# Altium PCB MCU063A_PCB.PcbDoc (part 5 of 9)
Units mil, origin at the board's own origin, x right, y up, seen from the top; angles counter-clockwise.
Board outline 4165.01 x 2371.03 mil, 10 copper layers (Top Layer, Internal Plane 2, Signal Layer 3, Signal Layer 4, Internal Plane 5, Internal Plane 6, Signal Layer 7, Signal Layer 8, Internal Plane 9, Bottom), stack 59.9 mil thick; 436 components, 392 nets, 1750 pads, 1250 vias.
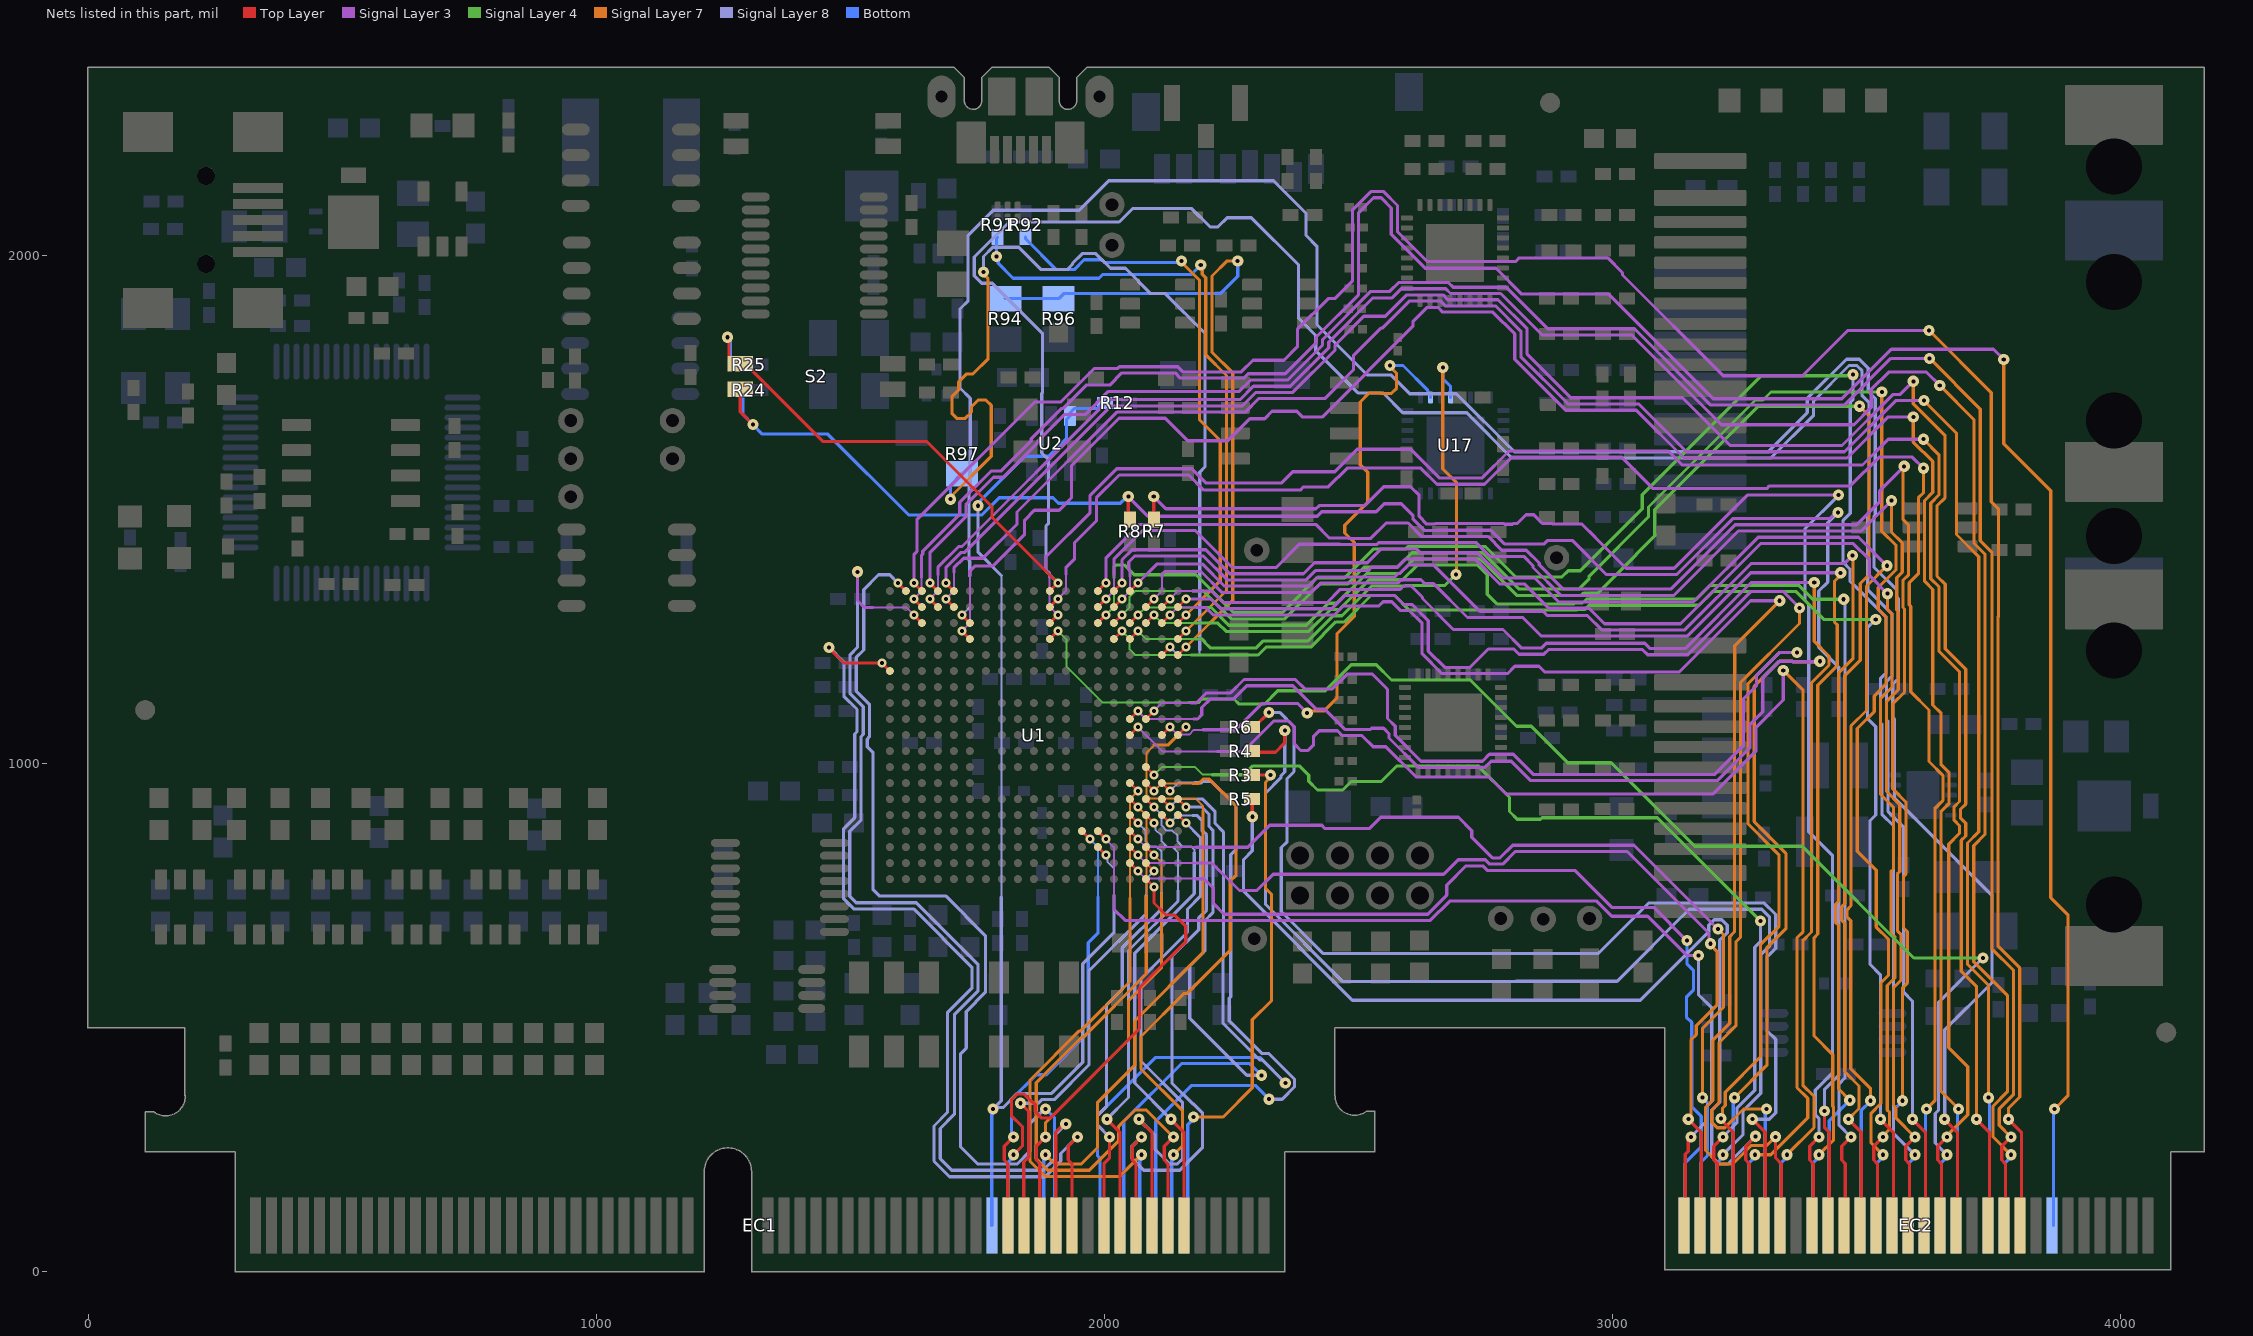
[diagram p13: the nets of this part, all layers, seen from the top]

## Via types
v1: diameter 22, hole 8, Top Layer to Bottom, tented both sides, 895 vias
v2: diameter 18, hole 8, Top Layer to Bottom, tented both sides, 334 vias
v3: diameter 19.68, hole 7.87, Top Layer to Bottom, 19 vias
v4: diameter 18/18/18/18/18/18 (per signal layer), hole 8, Top Layer to Bottom, tented both sides, 1 vias
v5: diameter 22/22/22/22/22/22 (per signal layer), hole 8, Top Layer to Bottom, tented both sides, 1 vias

## Nets (pads, with @x,y where several pads share a name; then routed paths per layer and width w, separated by ;. In a path a pad name is that pad's centre, name@x,y a point inside that pad or via, vN(x,y) a via of type N, cw(c..) or ccw(c..) an arc to the next point about the centre after c; other vN are vias at no path point) (continued)
MCU_GPIO33: EC1.87 U1.T13 | length 883.1
  Top Layer w6.25: EC1.87@1810.04,91 1810.04,212.49 1802.87,219.66 1802.87,246.88 v1(1820.99,265) ; U1.T13@1955.91,867.12 v2(1971.66,851.38)
  Bottom w4: v2(1971.66,851.38) 1987.21,835.82 1987.21,737.31
  Bottom w6.25: v1(1820.99,265) 1817.08,268.91 1817.08,338.82 1865.7,387.44 1885.3,387.44 1968.46,470.59 1968.46,647 1987.21,665.75 1987.21,737.31
MCU_GPIO34: EC1.86 R12.1 U1.U14 U2.3 | length 2482.5
  Top Layer w6.25: U1.U14@1987.4,835.63 v2(2003.15,819.88)
  Signal Layer 8 w4: 1797.21,737.31 1797.21,750.2 1797.68,750.67 1797.68,1369.84 ; v2(2003.15,819.88) 2005.83,817.2 2005.83,806.92 2018.9,793.85 2018.9,741
  Signal Layer 8 w6.25: v1(1751.56,1507.31) 1751.56,1415.96 1797.68,1369.84 ; 1797.21,737.31 1797.21,336.21 v1(1780.99,320) 1784.01,323.01 1801.28,323.01 1828.95,350.69 1896.21,350.69 1957.46,411.93 1957.46,605.56 2018.9,667 2018.9,741
  Bottom w6.25: v1(1751.56,1507.31) 1754.58,1510.33 1754.58,1516.06 1843.19,1604.68 1890.32,1604.68 1925.73,1640.09 1925.73,1677.46 U2.3@1932.41,1684.13 1932.41,1690 1941.1,1698.69 1986.14,1698.69 1997.45,1710 R12.1@2001.39,1710 ; EC1.86@1778.55,91 1778.55,317.55 v1(1780.99,320)
MCU_GPIO35: EC2.121 U1.T14 | length 1950
  Top Layer w6.25: U1.T14@1987.4,867.12 v2(2003.15,851.38) ; EC2.121@3143.43,91 3143.43,230.84 3149.23,236.65 3149.23,259.86 v1(3154.38,265)
  Signal Layer 3 w4: v2(2003.15,851.38) 2018.9,835.63 2018.9,739.62
  Signal Layer 3 w6.25: 2018.9,739.62 2018.9,713.1 2040.82,691.18 2641.5,691.18 2679.44,729.13 2969.14,729.13 2998.96,699.31 3069.21,699.31 3146.21,622.31 v1(3169.21,622.31)
  Signal Layer 8 w6.25: v1(3154.38,265) 3183.25,293.87 3183.25,322.72 3195.33,334.8 3195.33,519.19 3169.21,545.31 v1(3169.21,622.31)
MCU_GPIO36: EC2.122 U1.V16 | length 1863.9
  Top Layer w6.25: U1.V16@2050.4,804.13 v2(2066.14,788.38)
  Signal Layer 3 w4: v2(2066.14,788.38) 2081.21,773.31 2179.21,773.31
  Signal Layer 3 w6.25: 2179.21,773.31 2195.69,773.31 2215,754 2215,724 2235.57,703.43 2636.42,703.43 2674.06,741.07 2674.06,760.8 2711.7,798.44 2744.8,798.44 2753.55,789.69 2925.91,789.69 2998.72,716.88 3081.13,716.88 v1(3146.51,651.5)
  Bottom w6.25: EC2.122@3143.43,91 3143.43,214.05 3174.93,245.55 3174.93,305.59 3156.02,324.5 3156.02,490.47 3145.55,500.93 3145.55,540.28 3159.33,554.07 3159.33,593.42 3146.51,606.24 v1(3146.51,651.5)
MCU_GPIO37: EC2.123 U1.U16 | length 1896.5
  Top Layer w6.25: U1.U16@2050.4,835.63 v2(2066.14,819.88) ; v1(3149.38,300) 3174.93,274.45 EC2.123@3174.93,91
  Signal Layer 3 w4: v2(2066.14,819.88) 2081.71,804.31 2181.21,804.31
  Signal Layer 3 w6.25: 2181.21,804.31 2211.69,804.31 2266,750 2300,750 2332.17,782.17 2667.7,782.17 2696.21,810.69 2749.88,810.69 2758.63,801.94 2783.79,801.94 2808.66,826.81 3028.83,826.81 3190.19,665.45 3190.19,648.33 v1(3193.21,645.31)
  Signal Layer 7 w6.25: v1(3149.38,300) 3154.52,305.15 3154.52,456.1 3164.96,466.54 3164.96,484.09 3206.33,525.46 3206.33,629.62 3193.21,642.75 v1(3193.21,645.31)
MCU_GPIO38: EC2.124 U1.T16 | length 1933.9
  Top Layer w6.25: U1.T16@2050.4,867.12 v2(2066.14,851.38)
  Signal Layer 3 w4: v2(2066.14,851.38) 2082.21,835.31 2180.21,835.31
  Signal Layer 3 w6.25: 2180.21,835.31 2282.44,835.31 2325.57,878.44 2427.8,878.44 2434.36,871.88 2521.46,871.88 2543.7,894.11 2697.04,894.11 2723.08,868.07 2723.08,854.8 2763.7,814.19 2778.71,814.19 2803.59,839.06 3042.46,839.06 3207.12,674.4 v1(3207.7,674.4)
  Signal Layer 7 w6.25: v1(3177.21,342.31) 3177.21,479.01 3218.58,520.39 3218.58,662.94 3207.7,673.82 v1(3207.7,674.4)
  Bottom w6.25: EC2.124@3174.93,91 3174.93,216.03 3187.21,228.31 3187.21,332.31 v1(3177.21,342.31)
MCU_GPIO39: EC1.88 U1.W17 | length 1007.8
  Top Layer w6.25: v1(1820.99,230) 1839.12,248.13 1839.12,284.59 1817.08,306.62 1817.08,338.82 1827.7,349.44 1842.71,349.44 1863.86,328.29 1863.86,315.03 1876.7,302.19 1893.71,302.19 2069.07,477.55 2069.07,558.15 2160.33,649.41 2160.33,679.82 2138.38,701.77 2121.26,701.77 2097.64,725.39 v2(2097.64,756.89) U1.W17@2081.89,772.63
  Bottom w6.25: EC1.88@1810.04,91 1810.04,214.05 1825.99,230 v1(1820.99,230)
MCU_GPIO40: EC1.89 U1.V17 | length 873.7
  Top Layer w6.25: v1(1835.21,331.31) 1851.37,315.15 1851.37,225.47 1841.54,215.65 EC1.89@1841.54,91 ; U1.V17@2081.89,804.13 v2(2097.64,788.38)
  Signal Layer 8 w4: 2082.64,741 2082.64,773.38 v2(2097.64,788.38)
  Signal Layer 8 w6.25: v1(1835.21,331.31) 1869.57,331.31 1876.7,338.44 1901.29,338.44 1969.71,406.86 1969.71,591.78 2082.64,704.72 2082.64,741
MCU_GPIO41: EC1.91 U1.U17 | length 862.6
  Top Layer w6.25: EC1.91@1873.04,91 1873.04,212.49 1865.86,219.66 1865.86,246.88 v1(1883.99,265) ; U1.U17@2081.89,835.63 v2(2097.64,819.88)
  Signal Layer 7 w4: v2(2097.64,819.88) 2112.64,804.88 2112.64,741.88
  Signal Layer 7 w6.25: v1(1883.99,265) 1883.99,292.46 2047.58,456.05 2047.58,533.41 2112.64,598.46 2112.64,741.88
MCU_GPIO42: R91.1 U1.D19 | length 1272.3
  Top Layer w6.25: U1.D19@2144.88,1245.08 v2(2160.63,1260.82)
  Signal Layer 7 w6.25: v2(2160.63,1260.82) 2240.38,1340.58 2240.38,1763.67 2199.63,1804.42 2199.63,1956.25 2192.77,1963.11 2192.77,1978.13 v1(2189.76,1981.14)
  Bottom w6.25: R91.1@1790.01,2036.38 1788.01,2034.38 v1(1788.01,1998) 1791.02,1994.99 1791.02,1984.35 1820.19,1955.19 1989.45,1955.19 1996.7,1962.44 2171.06,1962.44 v1(2189.76,1981.14)
MCU_GPIO43: R92.1 U1.C19 | length 1126.1
  Top Layer w6.25: U1.C19@2144.88,1276.57 v2(2160.63,1292.32)
  Signal Layer 7 w6.25: v1(2151.96,1989.19) 2151.96,1986.61 2187.38,1951.18 2187.38,1676.63 2228.13,1635.88 2228.13,1359.82 v2(2160.63,1292.32)
  Bottom w6.25: R92.1@1845.01,2036.38 1845.01,2032.44 1905.26,1972.19 1940.66,1972.19 1959.91,1991.44 1995.31,1991.44 2000.87,1985.88 2144.38,1985.88 2147.7,1989.19 v1(2151.96,1989.19)
MCU_GPIO44: U1.K18 U17.2 | length 1283.2
  Top Layer w6.25: U1.K18@2113.39,1056.1 v2(2129.14,1071.85)
  Signal Layer 3 w4: v2(2129.14,1071.85) 2144.14,1056.85 2166.85,1056.85 2176.31,1066.31 2194.21,1066.31
  Signal Layer 3 w6.25: 2194.21,1066.31 2258.95,1066.31 2311.08,1118.44 2380.08,1118.44 v1(2399.21,1099.31)
  Signal Layer 7 w6.25: v1@2401.17,1101.28 2403.13,1099.31 v1(2399.21,1099.31) 2403.02,1103.13 2431.77,1103.13 2458.08,1129.44 2458.08,1255.82 2491.76,1289.49 2491.76,1435.13 2473.08,1453.8 2473.08,1468.82 2518.33,1514.07 2518.33,1573.23 2503.83,1587.73 2503.83,1711.57 2521.7,1729.44 2542.58,1729.44 2543.83,1728.19 2564.71,1728.19 2575.33,1738.8 2575.33,1767.62 2562.21,1780.75 v1(2562.21,1783.31)
  Bottom w6.25: v1(2562.21,1783.31) 2587.9,1783.31 2636.22,1734.99 2636.22,1733.08 2641.86,1727.44 U17.2@2641.86,1720.55
MCU_GPIO45: EC1.92 U1.K19 | length 1348.9
  Top Layer w6.25: U1.K19@2144.88,1056.1 v2(2160.63,1071.85)
  Signal Layer 7 w4: 2098.21,1036.31 2082.64,1020.74 2082.64,939.65 2091.43,930.86 2179.66,930.86 2194,916.52 2194,907
  Signal Layer 7 w6.25: v1(1883.99,230) 1902.11,211.88 1954.49,211.88 1986.85,244.23 1986.85,333.24 2059.83,406.23 2059.83,493.3 2194,627.47 2194,907 ; 2098.21,1036.31 2125.1,1036.31 v2(2160.63,1071.85)
  Bottom w6.25: EC1.92@1873.04,91 1880.74,98.7 1880.74,222.49 1883.99,225.74 v1(1883.99,230)
MCU_GPIO46: R94.1 R96.2 U1.E19 | length 1376.3
  Top Layer w6.25: U1.E19@2144.88,1213.58 v2(2160.63,1229.33)
  Signal Layer 7 w6.25: v2(2160.63,1229.33) 2252.63,1321.33 2252.63,1768.74 2211.88,1809.49 2211.88,1959.51 2241.57,1989.19 v1(2262.45,1989.19)
  Bottom w6.25: R94.1@1805.01,1915 R96.2@1910.01,1915 1919.88,1924.88 1995.33,1924.88 2228.49,1924.85 2262.45,1958.81 v1(2262.45,1989.19)
MCU_GPIO47: R97.1 U1.E18 | length 1997.6
  Top Layer w6.25: U1.E18@2113.39,1213.58 v2(2129.14,1229.33)
  Signal Layer 7 w6.25: v1(1697.21,1520.31) 1697.21,1524.57 1777.33,1604.7 1777.33,1704.82 1766.71,1715.44 1751.7,1715.44 1738.61,1702.35 1738.61,1691.97 1725.52,1678.88 1710.5,1678.88 1699.88,1689.49 1699.88,1721.99 1713.29,1735.4 1713.29,1751.03 1729.14,1766.88 1741.52,1766.88 1771.33,1796.69 1771.33,1953.93 1762.21,1963.05 v1(1762.21,1967.31)
  Signal Layer 8 w4: v2(2129.14,1229.33) 2145.15,1213.31 2184.31,1213.31 2187.67,1216.67 2187.67,1223.78
  Signal Layer 8 w6.25: v1(1762.21,1967.31) 1762.21,1997.83 1780.5,2016.13 1831.64,2016.13 1875.58,1972.19 1926.71,1972.19 1937.33,1982.8 1937.33,1984.39 1956.63,2003.69 1983.06,2003.69 2012.06,1974.69 2041.69,1974.69 2091.5,1924.88 2119.77,1924.88 2198.13,1846.51 2198.13,1583.76 2187.67,1573.29 2187.67,1223.78
  Bottom w6.25: v1(1697.21,1520.31) 1697.21,1548.13 1719.08,1570 R97.1@1720.01,1570
MCU_GPIO48: EC1.99 U1.R16 | length 906
  Top Layer w6.25: EC1.99@1999.02,91 1999.02,212.49 2009.97,223.44 v1(2009.97,265) ; U1.R16@2050.4,898.62 v2(2066.14,882.87)
  Signal Layer 8 w4: v2(2066.14,882.87) 2081.14,867.87 2081.14,846.66 2091.43,836.38 2102.36,836.38 2112.64,826.09 2112.64,745.88
  Signal Layer 8 w6.25: v1(2009.97,265) 1986.85,288.13 1986.85,307.51 2004.08,324.74 2004.08,524.55 2035.33,555.8 2035.33,637.06 2112.64,714.37 2112.64,745.88
MCU_GPIO49: EC1.101 U1.R17 | length 908.7
  Top Layer w6.25: v1(2004.97,300) 2030.52,274.45 EC1.101@2030.52,91 ; U1.R17@2081.89,898.62 v2(2097.64,882.87)
  Signal Layer 8 w4: v2(2097.64,882.87) 2100.32,880.19 2100.32,869.91 2112.64,857.59 2112.64,846.66 2123.3,836 2134.23,836 2144.88,825.34 2144.88,749.83
  Signal Layer 8 w6.25: v1(2004.97,300) 2047.58,342.61 2047.58,631.98 2144.88,729.29 2144.88,749.83
MCU_GPIO50: EC1.103 U1.R18 | length 1197.8
  Top Layer w6.25: EC1.103@2062.01,91 2062.01,212.49 2054.84,219.66 2054.84,246.88 v1(2072.96,265) ; U1.R18@2113.39,898.62 v2(2129.14,882.87)
  Signal Layer 8 w4: v2(2129.14,882.87) 2144.14,897.87 2174.13,897.87
  Signal Layer 8 w6.25: v1(2072.96,265) 2054.84,246.88 2054.84,222.49 2077.7,199.63 2148.54,199.63 2193.33,244.42 2193.33,311.82 2174.96,330.19 2173.7,330.19 2133.08,370.8 2133.08,620.23 2185.83,672.98 2185.83,696.09 2201.26,711.52 2201.26,859.57 2192,868.83 2192,888 2182.13,897.87 2174.13,897.87
MCU_GPIO51: EC1.105 U1.R19 | length 1139.6
  Top Layer w6.25: v1(2067.96,300) 2093.51,274.45 EC1.105@2093.51,91 ; U1.R19@2144.88,898.62 v2(2160.63,882.87)
  Signal Layer 8 w6.25: v1(2067.96,300) 2099.71,268.25 2099.71,240.61 2128.45,211.88 2143.46,211.88 2154.08,222.49 2154.08,332.48 2072.08,414.48 2072.08,576.55 2163.71,668.18 2163.71,713.46 2189.01,738.76 2189.01,854.5 v2(2160.63,882.87)
MCU_GPIO52: EC1.107 U1.P16 | length 1364
  Top Layer w6.25: U1.P16@2050.4,930.12 v2(2066.14,914.37) ; EC1.107@2125.01,91 2125.01,212.49 2117.83,219.66 2117.83,246.88 v1(2135.95,265)
  Signal Layer 7 w4: v2(2066.14,914.37) 2082.64,897.87 2082.64,737.88
  Signal Layer 7 w6.25: 2082.64,737.88 2082.64,585.79 1958.47,461.62 1955.88,461.62 1865.86,371.6 1865.86,222.49 1888.73,199.63 1970.23,199.63 2028.1,257.49 2028.1,285.77 2060.45,318.13 2082.83,318.13 v1(2135.95,265)
MCU_GPIO53: EC1.109 U1.P17 | length 983.3
  Top Layer w6.25: U1.P17@2081.89,930.12 v2(2097.64,914.37) ; v1(2130.95,300) 2156.5,274.45 EC1.109@2156.5,91
  Signal Layer 8 w4: v2(2097.64,914.37) 2112.64,899.37 2112.64,878.15 2122.94,867.86 2133.87,867.86 2144.18,857.55 2144.18,846.62 2154.48,836.31 2171.21,836.31 2177,830.52 2177,825
  Signal Layer 8 w6.25: v1(2130.95,300) 2059.83,371.12 2059.83,626.91 2177,744.08 2177,825
MCU_GPIO54: EC1.100 U1.P18 | length 1381.9
  Top Layer w6.25: U1.P18@2113.39,930.12 v2(2129.14,914.37)
  Signal Layer 8 w4: v2(2129.14,914.37) 2145.08,930.31 2182.21,930.31
  Signal Layer 8 w6.25: 2182.21,930.31 2192.69,930.31 2218,905 2218,881.89 2234.33,865.55 2234.33,618.8 2233.58,618.05 2233.58,488.66 2305.39,416.85 2310.67,416.85 v1(2356.21,371.31)
  Bottom w6.25: EC1.100@1999.02,91 1991.32,98.7 1991.32,223.01 1986.85,227.49 1986.85,307.51 2101.02,421.69 2305.83,421.69 v1(2356.21,371.31)
MCU_GPIO55: EC1.102 U1.P19 | length 1220.3
  Top Layer w6.25: U1.P19@2144.88,930.12 v2(2160.63,914.37)
  Signal Layer 8 w6.25: v2(2160.63,914.37) 2191.63,914.37 2206,900 2206,876.56 2213.71,868.86 2213.71,706.64 2198.08,691.02 2198.08,631.55 2168.08,601.55 2168.08,498.8 2280.57,386.31 v1(2309.21,386.31)
  Bottom w6.25: EC1.102@2030.52,91 2038.22,98.7 2038.22,295.89 2151.77,409.44 2286.08,409.44 v1(2309.21,386.31)
MCU_GPIO56: EC1.104 U1.N16 | length 1233.3
  Top Layer w6.25: U1.N16@2050.4,961.61 v2(2066.14,945.86)
  Signal Layer 7 w4: 2050.59,734.7 2050.59,930.31 v2(2066.14,945.86)
  Signal Layer 7 w6.25: 2050.59,734.7 2050.59,571.07 1953.4,473.87 1950.81,473.87 1853.61,376.67 1853.61,217.42 1883.65,187.38 2030.34,187.38 v1(2072.96,230)
  Bottom w6.25: EC1.104@2062.01,91 2069.71,98.7 2069.71,222.49 2072.96,225.74 v1(2072.96,230)
MCU_GPIO57: EC1.106 U1.N18 | length 1331.5
  Top Layer w6.25: U1.N18@2113.39,961.61 v2(2129.14,945.86)
  Signal Layer 8 w4: v2(2129.14,945.86) 2145.58,962.31 2177.21,962.31
  Signal Layer 8 w6.25: 2177.21,962.31 2191.31,962.31 2193.44,964.44 2211.71,964.44 2259.33,916.82 2259.33,831.05 2248.63,820.35 2248.63,540.91 2245.83,538.11 2245.83,493.73 2310.46,429.1 2324.05,429.1 2374.33,378.82 2374.33,363.8 2349.84,339.31 v1(2324.21,339.31)
  Bottom w6.25: EC1.106@2093.51,91 2101.21,98.7 2101.21,295.89 2171.76,366.44 2297.08,366.44 v1(2324.21,339.31)
MCU_GPIO58: EC1.108 U1.N17 | length 1168.5
  Top Layer w6.25: U1.N17@2081.89,961.61 v2(2097.64,945.86)
  Signal Layer 7 w4: v2(2097.64,945.86) 2112.64,960.86 2174,960.86
  Signal Layer 7 w6.25: v1(2135.95,230) 2154.08,248.13 2154.08,316.6 2072.08,398.6 2072.08,462.82 2156.89,547.62 2163.15,547.62 2247.96,632.43 2247.96,768.94 2259.33,780.31 2259.33,916.82 2206.84,969.31 2194.21,969.31 2185.76,960.86 2174,960.86
  Bottom w6.25: EC1.108@2125.01,91 2132.71,98.7 2132.71,222.49 2135.95,225.74 v1(2135.95,230)
MCU_GPIO59: EC1.110 R3.1 | length 1037.7
  Top Layer w6.25: R3.1@2290.87,977.36 2290.92,977.31 v1(2327.21,977.31)
  Signal Layer 7 w6.25: v1(2175.21,304.31) 2233.84,304.31 2291.08,361.55 2291.08,495.55 2329.13,533.61 2329.13,742.24 2317.08,754.29 2317.08,962.93 2327.21,973.05 v1(2327.21,977.31)
  Bottom w6.25: EC1.110@2156.5,91 2164.2,98.7 2164.2,289.05 2175.21,300.05 v1(2175.21,304.31)
MCU_GPIO60: EC2.125 U1.M17 | length 2068.1
  Top Layer w6.25: U1.M17@2081.89,993.11 v2(2097.64,977.36) ; EC2.125@3206.42,91 3206.42,212.49 3199.25,219.67 3199.25,246.88 v1(3217.37,265)
  Signal Layer 4 w4: v2(2097.64,977.36) 2113.59,993.31 2178.21,993.31 2193.52,978 2212,978
  Signal Layer 4 w6.25: 2212,978 2274.85,978 2292.29,995.44 2383.71,995.44 2402.33,976.82 2402.33,965.05 2419.5,947.88 2469.49,947.88 2486.55,964.94 2545.46,964.94 2575.96,995.44 2735.28,995.44 2797.33,933.38 2797.33,905.55 2812.7,890.19 2858.45,890.19 2861.7,893.44 3088.08,893.44 v1(3291.21,690.31)
  Signal Layer 8 w6.25: v1(3217.37,265) 3244.99,292.62 3244.99,321.46 3280.21,356.68 3280.21,638.11 3291.21,649.11 v1(3291.21,690.31)
MCU_GPIO61: EC2.126 R4.1 | length 2232.7
  Top Layer w6.25: R4.1@2290.87,1024.6 2293.25,1022.23 2336.87,1022.23 2355.21,1040.57 v1(2355.21,1065.31)
  Signal Layer 8 w6.25: v1(2355.21,1065.31) 2355.21,983.27 2347.49,975.55 2347.49,971.96 2317.08,941.55 2317.08,722.7 2468.59,571.19 2810.34,571.19 2810.78,571.63 3009.16,571.63 3150.65,713.13 3294.03,713.13 3309.33,697.82 3309.33,641.39 3291.83,623.89 3291.83,350.98 3257.24,316.39 3257.24,269.87 v1(3217.37,230)
  Bottom w6.25: EC2.126@3206.42,91 3206.42,214.05 3222.37,230 v1(3217.37,230)
MCU_GPIO62: EC2.127 U1.J17 | length 2906.6
  Top Layer w6.25: U1.J17@2081.89,1087.6 v2(2097.64,1103.34) ; v1(3213.62,301.25) 3213.62,298.75 3237.92,274.45 EC2.127@3237.92,91
  Signal Layer 3 w4: v2(2097.64,1103.34) 2113.39,1119.09 2170.99,1119.09
  Signal Layer 3 w6.25: 2170.99,1119.09 2181.09,1119.09 2201.06,1139.06 2248.61,1139.06 2274.92,1165.38 2376.1,1165.38 2394.6,1146.88 2448.88,1146.88 2477.95,1175.94 2509.21,1175.94 2509.7,1176.44 2526.78,1176.44 2557.21,1146.01 2557.21,1088.69 2572.58,1073.31 2572.58,1055.29 2623.27,1004.6 2744.22,1004.6 2757.93,1018.32 2804.68,1018.32 2844.32,978.69 3201.23,978.69 3258.21,1035.66 3258.21,1127.99 3283.71,1153.49 3283.71,1173.77 3328.25,1218.31 v1(3363.21,1218.31)
  Signal Layer 7 w6.25: v1(3213.62,301.25) 3216.63,304.26 3216.63,321.46 3222.08,326.91 3222.08,353.19 3291.21,422.31 3291.21,643.11 3328.1,680 3328.1,819.83 3266.83,881.1 3266.83,1156.89 3328.25,1218.31 v1(3363.21,1218.31)
MCU_GPIO63: EC2.128 U1.J16 | length 2945.3
  Top Layer w6.25: U1.J16@2050.4,1087.6 v2(2066.14,1103.34)
  Signal Layer 3 w4: v2(2066.14,1103.34) 2081.89,1087.6 2175.21,1087.6
  Signal Layer 3 w6.25: 2175.21,1087.6 2183.6,1087.6 2191.7,1095.7 2191.7,1110.32 2208.19,1126.81 2253.68,1126.81 2279.99,1153.13 2371.03,1153.13 2417.28,1106.88 2433.77,1106.88 2473.46,1067.19 2523.71,1067.19 2525.96,1069.44 2549.71,1069.44 2560.33,1058.82 2560.33,1050.21 2618.2,992.35 2749.29,992.35 2761.38,1004.44 2801.24,1004.44 2839.24,966.44 3206.3,966.44 3270.46,1030.59 3270.46,1076.52 3295.96,1102.02 3295.96,1168.69 3328.7,1201.44 3354.45,1201.44 3355.7,1200.19 3407.08,1200.19 v1(3408.21,1201.31)
  Signal Layer 7 w6.25: v1(3240.21,342.31) 3304.08,406.19 3304.08,637.27 3341.5,674.69 3341.5,823.23 3279.08,885.65 3279.08,1151.82 3328.7,1201.44 3354.45,1201.44 3355.7,1200.19 3407.08,1200.19 v1(3408.21,1201.31)
  Bottom w6.25: EC2.128@3237.92,91 3237.92,340.02 v1(3240.21,342.31)
MCU_GPIO64: EC2.129 R5.1 | length 2076.3
  Top Layer w6.25: R5.1@2290.87,930.12 2291.21,929.78 v1(2291.21,895.31) ; EC2.129@3269.41,91 3269.41,212.49 3262.24,219.67 3262.24,246.88 v1(3281.61,266.25)
  Signal Layer 8 w6.25: v1(2291.21,895.31) 2291.21,828.27 2274.08,811.15 2274.08,748.37 2488.27,534.19 3054.83,534.19 3189.58,668.93 3189.58,681.91 3200.19,692.52 3215.21,692.52 3225.83,681.91 3225.83,666.89 3215.21,656.27 3214.79,656.27 3211.33,652.82 3211.33,333.48 3195.5,317.64 3195.5,226.24 3209.86,211.88 3227.24,211.88 v1(3281.61,266.25)
MCU_GPIO65: EC2.130 U1.K16 | length 2815.7
  Top Layer w6.25: U1.K16@2050.4,1056.1 v2(2066.14,1071.85)
  Signal Layer 3 w4: v2(2066.14,1071.85) 2114.14,1023.86 2166.85,1023.86 2167,1023.7 2221.7,1023.7
  Signal Layer 3 w6.25: 2221.7,1023.7 2273.23,1023.7 2332.96,1083.44 2362.71,1083.44 2374.42,1071.73 2374.42,1037.58 2386.12,1025.88 2401.14,1025.88 2411.92,1036.66 2411.92,1053.66 2422.7,1064.44 2458.88,1064.44 2468.38,1054.94 2507.21,1054.94 2528.96,1033.19 2553.96,1033.19 2613.59,973.56 2757.15,973.56 2790.53,940.19 3198.05,940.19 3282.71,1024.84 3282.71,1071.44 3336.21,1124.94 v1(3336.21,1183.31)
  Signal Layer 7 w6.25: v1(3280.36,230) 3311.53,230 3384.47,302.94 3384.47,341.02 3363.33,362.17 3363.33,657.12 3375.33,669.13 3375.33,1144.19 v1(3336.21,1183.31)
  Bottom w6.25: EC2.130@3269.41,91 3269.41,214.05 3285.36,230 v1(3280.36,230)
MCU_GPIO66: EC2.131 R6.1 | length 2213.8
  Top Layer w6.25: R6.1@2290.87,1071.85 2294.81,1071.85 2323.27,1100.31 v1(2324.21,1100.31) ; v1(3275.36,300) 3300.91,274.45 EC2.131@3300.91,91
  Signal Layer 8 w6.25: v1(2324.21,1100.31) 2345.84,1100.31 2373.33,1072.82 2373.33,984.07 2359.74,970.47 2359.74,846.21 2348.33,834.8 2348.33,708.78 2431.17,625.94 2971.58,625.94 3071.02,725.38 3299.1,725.38 3321.58,702.89 3321.58,636.32 3304.08,618.82 3304.08,474.36 3321.48,456.96 3321.48,312.49 3308.99,300 v1(3275.36,300)
MCU_GPIO67: EC2.132 U1.B19 | length 2876.8
  Top Layer w6.25: U1.B19@2144.88,1308.07 v2(2160.63,1323.82)
  Signal Layer 3 w6.25: v2(2160.63,1323.82) 2209.73,1323.82 2228.92,1304.63 2447.52,1304.63 2473.46,1330.56 2543.5,1330.56 2543.63,1330.69 2571.2,1330.69 2588.7,1313.19 2605.61,1313.19 2637.66,1281.14 2637.66,1221.23 2669.7,1189.19 2719.71,1189.19 2755.96,1225.44 2805.71,1225.44 2816.21,1214.94 2865.2,1214.94 2874.7,1224.44 3058.71,1224.44 3069.21,1213.94 3148.09,1213.94 3272.59,1338.44 3336.71,1338.44 3368.21,1306.94 v1(3368.21,1306.31)
  Signal Layer 7 w6.25: v1(3303.36,320) 3258,320 3221.13,283.13 3206.11,283.13 3195.5,293.74 3195.5,317.64 3209.83,331.98 3209.83,450.64 3243.08,483.89 3243.08,648.78 3251.8,657.5 3251.8,1159.19 3368.21,1275.59 v1(3368.21,1306.31)